# Altium PCB roach2.PcbDoc (part 34 of 39) (continued)
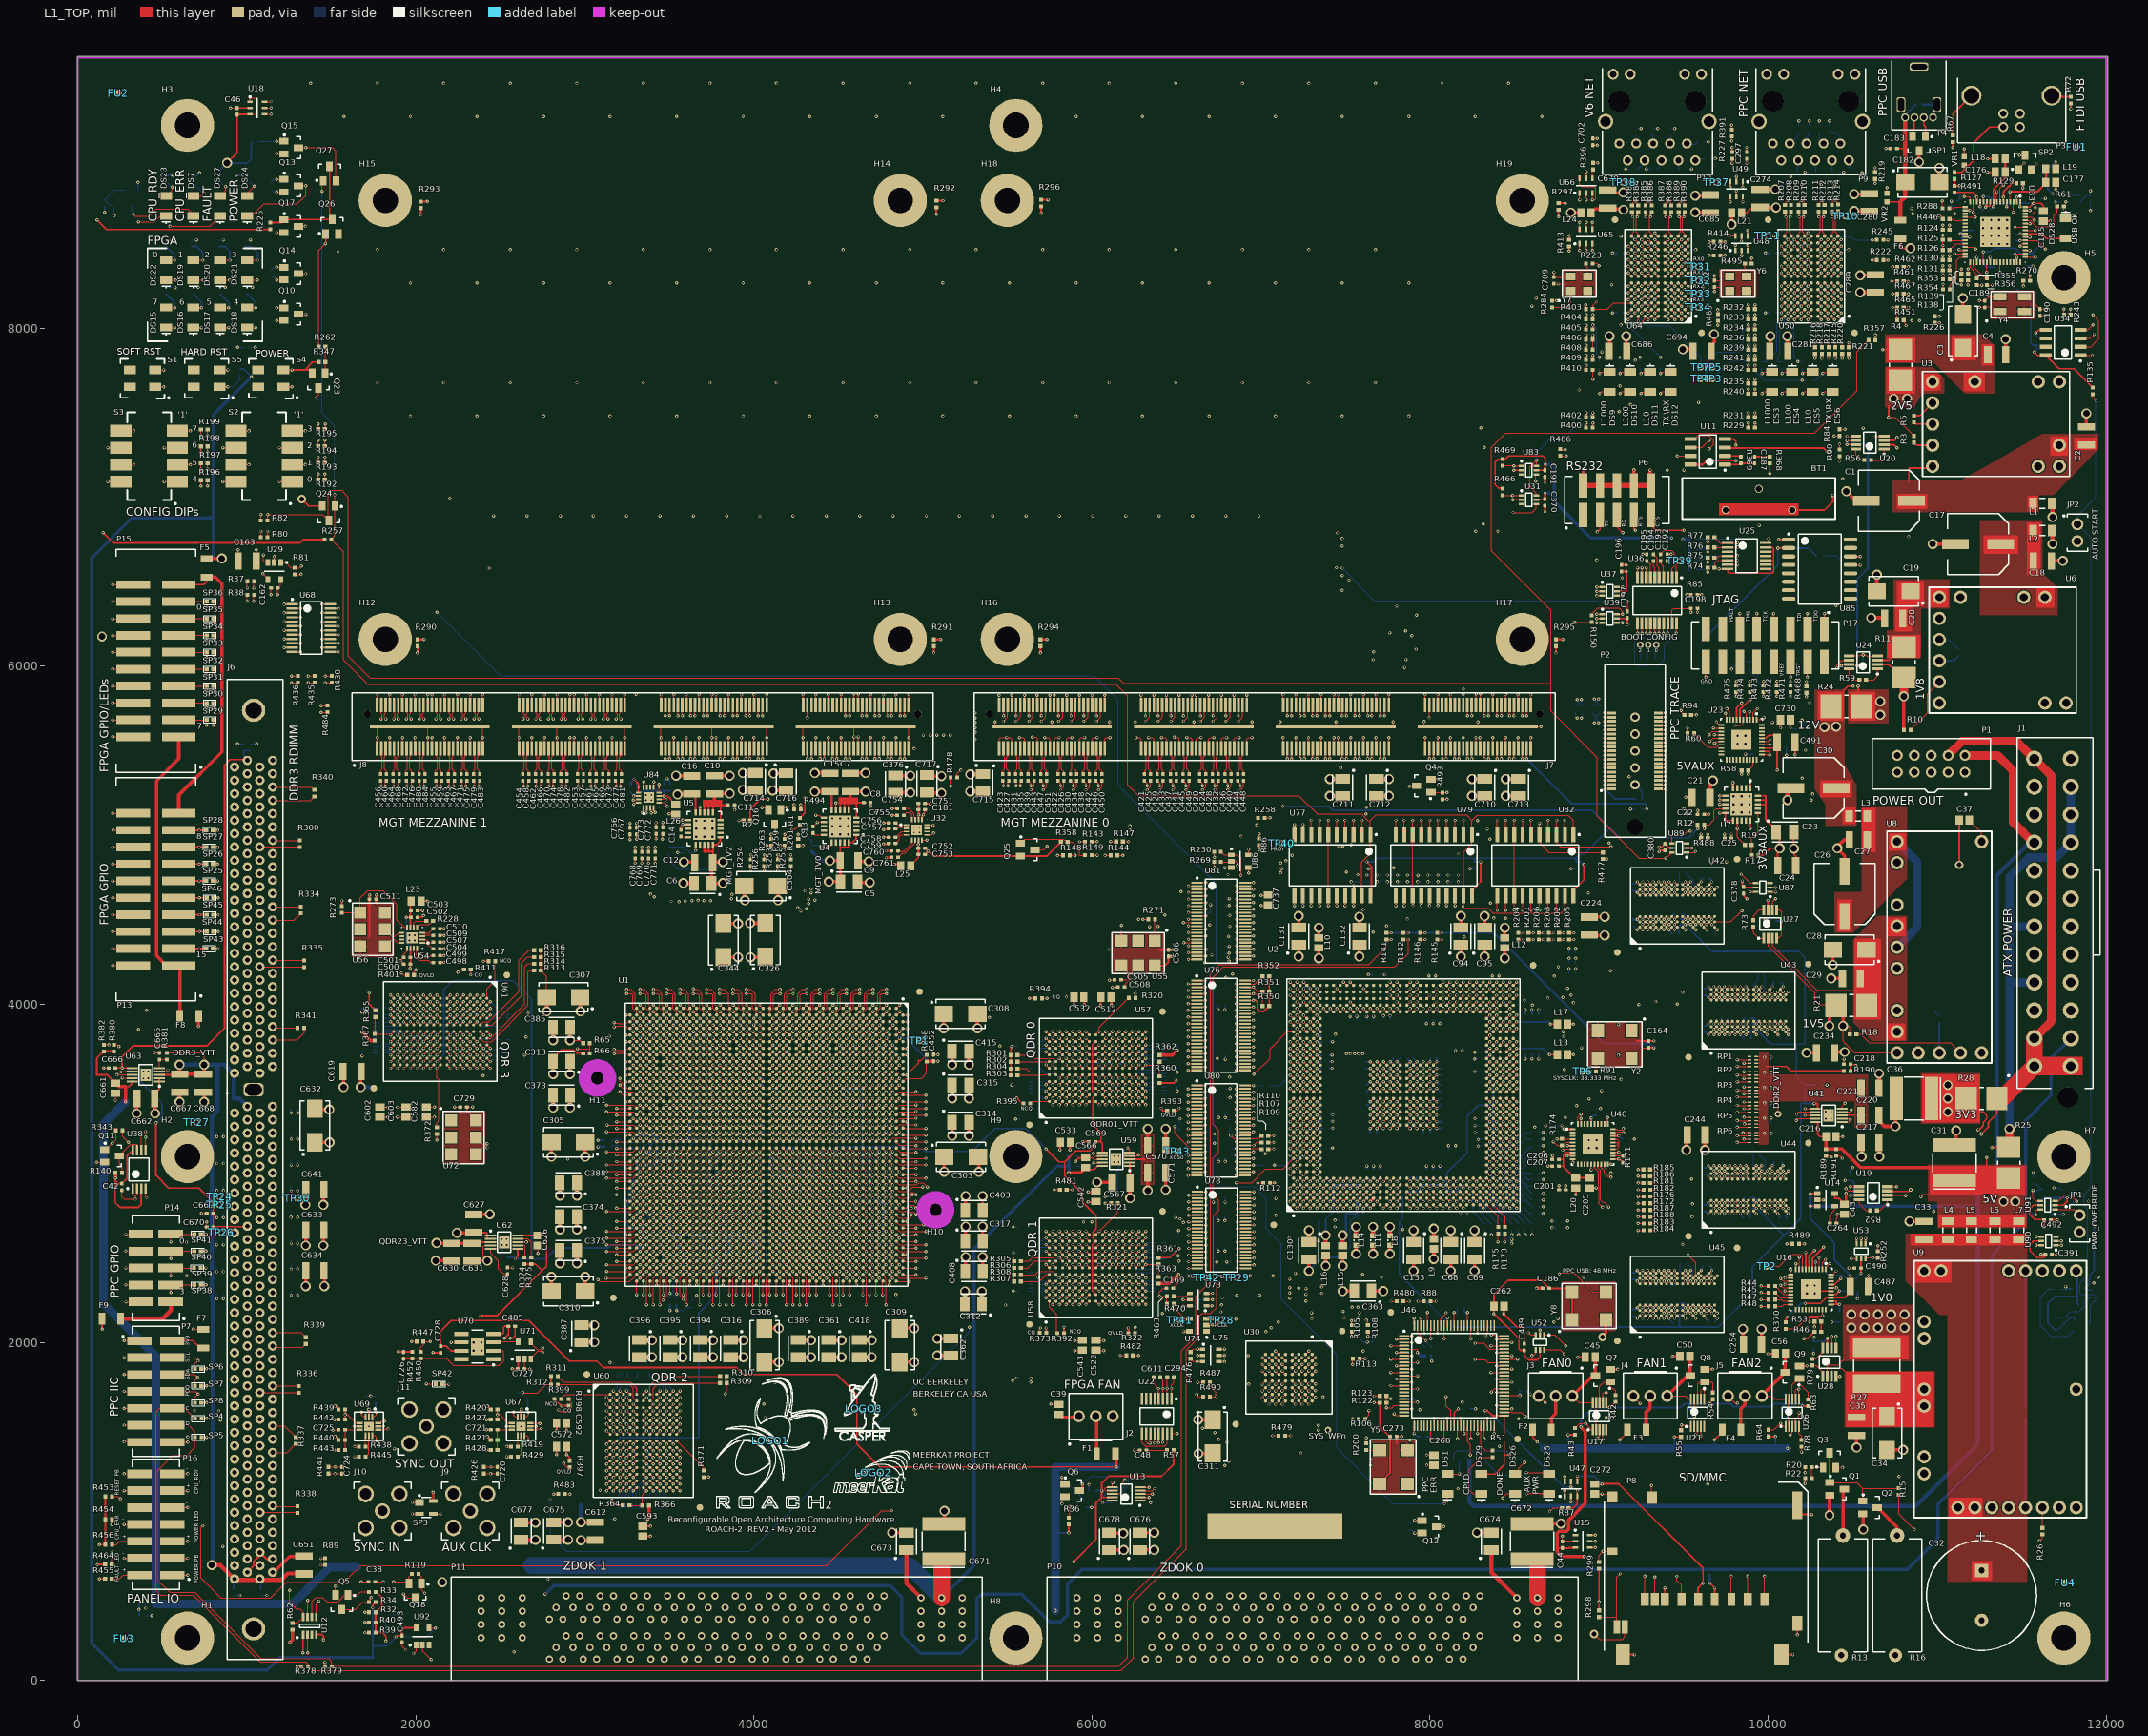
[diagram p0: L1_TOP view]
## Nets (pads, with @x,y where several pads share a name; then routed paths per layer and width w, separated by ;. In a path a pad name is that pad's centre, name@x,y a point inside that pad or via, vN(x,y) a via of type N, cw(c..) or ccw(c..) an arc to the next point about the centre after c; other vN are vias at no path point) (continued)
XL.PDATA26: U1.AL32 U78.16 | length 3283.8
  L1_TOP w5: v1(3680.2,2734.68) U1.AL32@3699.89,2754.37 ; v1(6572.93,2595.34) U78.16@6623.93,2595.34 U78.16@6640.87,2595.34
  L8_R w3.8: v1(3680.2,2734.68) 3703.97,2758.45 3844.15,2758.45 3853.28,2767.59 3853.28,2783.38 3867.36,2797.45 4241.08,2797.45 4254.79,2783.75 4254.79,2610.48 4264.29,2600.97 4936.97,2600.97 4950.99,2614.99 5376.99,2614.99 5430.99,2560.99 5542.99,2560.99 5584.99,2518.99 6396.99,2518.99 6472.99,2594.99 6572.58,2594.99 v1(6572.93,2595.34)
XL.PDATA27: U1.AK32 U78.17 | length 3374
  L1_TOP w5: v1(3719.57,2734.68) U1.AK32@3739.26,2754.37 ; U78.17@6606.99,2575.65 U78.17@6623.93,2575.65 v1(6674.93,2575.65)
  L8_R w3.8: v1(3719.57,2734.68) 3735.54,2750.65 3847.38,2750.65 3861.08,2764.36 3861.08,2780.15 3870.59,2789.65 4237.85,2789.65 4246.99,2780.52 4246.99,2597 4250.99,2592.99 4268.8,2592.99 4268.99,2592.8 4910.8,2592.8 4922.32,2581.29 4987.29,2581.29 5006.99,2600.99 5358.99,2600.99 5454.99,2504.99 5674.99,2504.99 5698.99,2480.99 6394.99,2480.99 6489.65,2575.65 v1(6674.93,2575.65)
XL.PDATA28: U1.R33 U78.19 | length 2733.4
  L1_TOP w5: U1.R33@4329.81,2715 v1(4349.5,2695.31) ; U78.19@6606.99,2536.28 U78.19@6623.93,2536.28 v1(6674.93,2536.28)
  L8_R w3.8: v1(4349.5,2695.31) 4373.27,2671.54 4864.99,2671.54 ; 4867.54,2671.54 4864.99,2671.54 ; v1(6674.93,2536.28) 6714.99,2576.35 6714.99,2690.99 6692.99,2712.99 6594.54,2712.99 6574.74,2693.19 6521.19,2693.19 6496.99,2668.99 6440.99,2668.99 6412.99,2640.99 5694.99,2640.99 5666.99,2668.99 5542.74,2668.99 5541.14,2667.39 5528.22,2667.39 5526.62,2668.99 5398.99,2668.99 5379.57,2649.57 5210.41,2649.57 5184.99,2674.99 4992.99,2674.99 4972.99,2694.99 4938.99,2694.99 4915.54,2671.54 4864.99,2671.54
XL.PDATA29: U1.P32 U78.20 | length 2669
  L1_TOP w5: U1.P32@4369.18,2754.37 v1(4388.87,2734.68) ; v1(6572.93,2516.6) U78.20@6623.93,2516.6 U78.20@6640.87,2516.6
  L8_R w3.8: v1(4388.87,2734.68) 4373.27,2719.08 4373.27,2688.85 4382.4,2679.71 4903.71,2679.71 4934.91,2710.91 5009.5,2710.91 5018.64,2701.78 5018.64,2696.99 5028.64,2686.99 5188.99,2686.99 5222.43,2720.43 5367.67,2720.43 5379.05,2709.05 5642.94,2709.05 5668.99,2682.99 6488.99,2682.99 6506.99,2700.99 6532.99,2700.99 v2(6540.99,2708.99)
  L9_R w3.8: v2(6540.99,2708.99) 6556.99,2692.99 6610.99,2692.99 6628.99,2674.99 6628.99,2572.66 v1(6572.93,2516.6)
XL.PDATA30: U1.AH33 U78.22 | length 3190.3
  L1_TOP w5: v1(3798.31,2695.31) U1.AH33@3818,2715 ; v1(6572.93,2477.23) U78.22@6623.93,2477.23 U78.22@6640.87,2477.23
  L8_R w3.8: v1(3798.31,2695.31) 3822.08,2719.08 4058.9,2719.08 4097.68,2680.31 4097.68,2610.11 4106.81,2600.97 4161.97,2600.97 4176.05,2586.9 4176.05,2575.36 4176.42,2574.99 4176.42,2531.37 4185.55,2522.23 4888.7,2522.23 4900.21,2533.75 4950.24,2533.75 5040.99,2442.99 5596.99,2442.99 5678.99,2360.99 6508.99,2360.99 6538.99,2390.99 6538.99,2443.29 v1(6572.93,2477.23)
XL.PDATA31: TP42.1 U1.AJ33 U78.23 | length 3423.7
  L1_TOP w5: v1(3758.94,2695.31) U1.AJ33@3778.63,2715 ; U78.23@6606.99,2457.54 U78.23@6623.93,2457.54 v1(6674.93,2457.54)
  L8_R w3.8: v1(3758.94,2695.31) 3776.25,2695.31 3791.85,2679.71 3804.78,2679.71 3813.91,2688.85 3813.91,2697.91 3826.99,2710.99 4048.99,2710.99 4086.99,2672.99 4086.99,2609.77 4103.58,2593.17 4158.74,2593.17 4168.25,2583.67 4168.25,2521.74 4175.92,2514.06 4875.92,2514.06 4936.99,2452.99 4936.99,2440.09 4958.09,2418.99 5508.99,2418.99 5604.99,2322.99 6540.38,2322.99 v1(6674.93,2457.54) 6694.99,2437.48 6694.99,2399.99 TP42.1@6677.99,2382.99
XL.PERCLK: C169.2 R65.1 R66.2 R463.2 R470.2 TP41.1 U1.AY14 U1.K10 | length 6170.5
  L1_TOP w5: v6(2957,3737) 3029.69,3737 ; R66.2@3029.69,3710 3029.69,3737 ; R65.1@3029.68,3770 3029.69,3737 ; v1(3325.87,3482.72) 3345.24,3463.35 U1.AY14@3345.56,3463.03 ; U1.K10@4526.66,3620.51 4527.88,3621.73 v1(4546.35,3640.2) ; R463.2@6432.99,2272.99 v2(6400.99,2272.99) 6400.99,2297.99 6423,2320 C169.2@6440.31,2320 ; R470.2@6443.31,2227.99 R463.2@6443.31,2272.99
  L3_S w3.94: v6(2957,3737) 3068,3737 3225,3580 3225,3519 3261.28,3482.72 v1(3325.87,3482.72) 3343.16,3500 4468.5,3500 4484.25,3515.75 4484.25,3566.93 4496.06,3578.74 4515.75,3578.74 4527.56,3590.55 4527.56,3621.41 v1(4546.35,3640.2) 4564.5,3622.05 5074.8,3622.05 5244.09,3791.34 5362.2,3791.34 5511.81,3940.94 6358.27,3940.94 6539.37,3759.84 6539.37,2732.77 6556.66,2715.48 6556.66,2371.62 6458.03,2272.99 v2(6400.99,2272.99)
  L8_R w5: v2(6400.99,2272.99) 6400.99,2249.99 TP41.1@6517.99,2132.99
XL.POEN: U1.AA31 U80.14 | length 3049.8
  L1_TOP w5: U1.AA31@4093.59,2793.74 v1(4113.28,2774.05) ; v1(6569.83,3263.85) U80.14@6620.83,3263.85 U80.14@6637.77,3263.85
  L9_R w3.8: v1(4113.28,2774.05) 4113.28,2756.75 4128.88,2741.15 4128.88,2694.99 4144.15,2679.71 4749.66,2679.71 4758.8,2688.85 4758.8,2940.86 4772.88,2954.93 4910.93,2954.93 4922.82,2966.82 4993.16,2966.82 5004.99,2954.99 5676.99,2954.99 5818.99,3096.99 6072.99,3096.99 6096.99,3120.99 6168.99,3120.99 6195.19,3094.79 6268.97,3094.79 6269.13,3094.64 6302.64,3094.64 6322.99,3114.99 6392.99,3114.99 6541.85,3263.85 v1(6569.83,3263.85)
XL.PRDY: R230.1 U1.L40 U86.1 | length 5276.4
  L1_TOP w5: U1.L40@4487.29,2439.41 v1(4506.98,2419.72) ; R230.1@6762.68,4902.99 6781.81,4883.86 U86.1@6824.8,4883.86 6860.13,4883.86 6880.99,4862.99 v2(6880.99,4762.99)
  L8_R w3.8: v2(4840.99,2282.99) 5074.99,2282.99 5134.99,2342.99 5432.99,2342.99 5490.99,2284.99 6378.99,2284.99 6386.99,2292.99 6662.99,2292.99 6768.99,2398.99 6768.99,4516.41 6857.93,4605.35 6862.69,4605.35 6880.99,4623.66 v2(6880.99,4762.99)
  L9_R w3.8: v1(4506.98,2419.72) 4524.99,2437.74 4524.99,2499.17 4539.88,2514.06 4592.18,2514.06 4606.99,2499.25 4606.99,2490.99 4616.99,2480.99 4712.99,2480.99 4722.99,2470.99 4722.99,2356.99 4796.99,2282.99 v2(4840.99,2282.99)
XL.PWRN: U1.V31 U80.15 | length 3196.7
  L1_TOP w5: U1.V31@4211.7,2793.74 v1(4231.39,2774.05) ; U80.15@6603.89,3244.16 U80.15@6620.83,3244.16 v1(6671.83,3244.16)
  L9_R w3.8: v1(4231.39,2774.05) 4248.69,2774.05 4264.29,2789.65 4631.65,2789.65 4648.86,2806.86 4648.86,3056.11 4658,3065.24 4845.24,3065.24 4876.99,3096.99 4876.99,3104.99 4912.99,3140.99 4982.99,3140.99 4994.99,3128.99 5076.99,3128.99 5132.99,3184.99 5132.99,3240.99 5162.99,3270.99 5188.99,3270.99 5283,3365 6527.97,3365 6560.18,3397.21 6623.21,3397.21 6648.99,3422.99 6674.99,3422.99 6693,3404.98 6693,3265.33 v1(6671.83,3244.16)
ZDOK0.CLK0_N: P10.C20 U1.K42 | length 5248.1
  L1_TOP w5: v2(4526.66,2281.93) U1.K42@4526.66,2360.67
  L14_S w3.8: v2(4526.66,2281.93) 4542.45,2297.71 4542.45,2339.48 4566.26,2363.29 4640.29,2363.29 4680.06,2403.06 4680.06,2432.56 4690.99,2443.49 4876.49,2443.49 4895.81,2462.81 4978.56,2462.81 4992.58,2448.79 5206.22,2448.79 5303.79,2351.22 5303.79,2218.22 5779.02,1742.99 5922.99,1742.99 ccw(c5922.99,1747.39) 5927.39,1747.39 5927.39,1792.4 cw(c5939.59,1792.4) 5951.79,1792.4 5951.79,1685.78 ccw(c5956.19,1685.78) 5960.59,1685.78 5960.59,1730.79 cw(c5972.79,1730.79) 5972.79,1742.99 6337.99,1742.99 6355.28,1760.28 6516.74,1760.28 7049.02,1227.99 7416.93,1227.99 8255.79,389.13 8255.79,302.91 P10.C20@8294.92,263.78 ; v2@4527.56,2283.46 v2@4531.64,2287.55
ZDOK0.CLK0_P: P10.C19 U1.J42 | length 5211.9
  L1_TOP w5: v2(4566.03,2281.93) U1.J42@4566.03,2360.67
  L14_S w3.8: v2(4566.03,2281.93) 4550.25,2297.71 4550.25,2336.25 4569.49,2355.49 4643.52,2355.49 4688.23,2400.2 4688.23,2426.18 4697.37,2435.32 4879.35,2435.32 4899.04,2455.01 4975.33,2455.01 4989.35,2440.99 5202.99,2440.99 5295.99,2347.99 5295.99,2214.99 5775.79,1735.19 5922.99,1735.19 ccw(c5922.99,1747.39) 5935.19,1747.39 5935.19,1792.4 cw(c5939.59,1792.4) 5943.99,1792.4 5943.99,1685.78 ccw(c5956.19,1685.78) 5968.39,1685.78 5968.39,1730.79 cw(c5972.79,1730.79) 5972.79,1735.19 6341.22,1735.19 6358.51,1752.48 6513.51,1752.48 7045.79,1220.19 7413.7,1220.19 8247.99,385.9 8247.99,296.77 P10.C19@8215,263.78
ZDOK0.CLK1_N: P10.F20 U1.P31 | length 5255.8
  L1_TOP w5: U1.P31@4369.18,2793.74 v1(4388.87,2774.05)
  L12_S w3.8: v1(4388.87,2774.05) 4397.04,2774.05 4420.81,2750.28 4434.7,2750.28 4443.84,2741.15 4443.84,2705 4444.21,2704.63 4444.21,2685.62 4457.91,2671.91 4788.66,2671.91 4806.34,2654.24 4806.34,2649.48 4815.48,2640.34 4826.11,2640.34 4837.91,2628.55 4837.91,2606.88 4909.1,2535.69 4918.76,2535.69 4949.76,2504.69 4971.76,2504.69 5014.68,2461.77 5239.01,2461.77 5384.32,2316.47 5384.32,2287.86 5875.19,1796.99 5875.19,1584.68 5873.86,1583.34 5873.86,1457.13 6115.79,1215.19 7390.79,1215.19 7870.79,735.19 8057.99,735.19 8155.19,637.99 8155.19,484.76 8169.76,470.19 8224.16,470.19 8253.97,500 P10.F20@8294.92,500
ZDOK0.CLK1_P: P10.F19 U1.P30 | length 5223.3
  L1_TOP w5: U1.P30@4369.18,2833.11 v1(4388.87,2813.42)
  L12_S w3.8: v1(4388.87,2813.42) 4406.17,2813.42 4421.77,2797.82 4437.16,2797.82 4452.01,2782.98 4452.01,2688.85 4461.14,2679.71 4825,2679.71 4845.71,2659.01 4845.71,2610.11 4912.33,2543.49 4921.99,2543.49 4952.99,2512.49 4974.99,2512.49 5017.91,2469.57 5242.24,2469.57 5392.12,2319.7 5392.12,2291.1 5882.99,1800.22 5882.99,1581.45 5881.66,1580.11 5881.66,1460.36 6119.02,1222.99 7394.02,1222.99 7874.02,742.99 8061.22,742.99 8064.61,739.61 ; 8063.51,740.71 8064.61,739.61 ; P10.F19@8215,500 8192.99,477.99 8172.99,477.99 8162.99,487.99 8162.99,641.22 8064.61,739.61
ZDOK0.DP_N0: P10.A2 U1.R27 | length 5231
  L1_TOP w5: U1.R27@4329.81,2951.22 v1(4349.5,2931.53)
  L3_S w3.8: v1(4349.5,2931.53) 4326.1,2908.13 4326.1,2370.66 4345.78,2350.98 4345.78,2272.24 4373.42,2244.6 4373.42,1845.42 4342.71,1814.71 4342.71,1587.25 5062.97,866.98 5217.08,712.88 cw(c5213.97,709.77) 5218.37,709.77 cw(c5213.97,709.77) 5217.08,706.65 5178.43,668 ccw(c5187.05,659.38) 5178.43,650.75 ccw(c5187.05,659.38) 5195.68,650.75 5284.72,739.79 cw(c5287.83,736.68) 5290.94,739.79 cw(c5287.83,736.68) 5292.23,736.68 cw(c5287.83,736.68) 5290.94,733.57 ; 5246.42,689.04 5201.9,644.53 ccw(c5210.53,635.9) 5201.9,627.28 ccw(c5210.53,635.9) 5219.15,627.28 5308.19,716.32 cw(c5311.3,713.21) 5314.42,716.32 cw(c5311.3,713.21) 5315.7,713.21 cw(c5311.3,713.21) 5314.42,710.09 5225.38,621.06 ccw(c5234,612.43) 5225.38,603.8 ccw(c5234,612.43) 5242.63,603.8 5331.67,692.84 cw(c5334.78,689.73) 5337.89,692.84 cw(c5334.78,689.73) 5339.18,689.73 cw(c5334.78,689.73) 5337.89,686.62 5248.86,597.58 ccw(c5257.48,588.95) 5248.85,580.33 ccw(c5257.48,588.95) 5266.1,580.33 5304.75,618.97 cw(c5307.87,615.87) 5310.98,618.98 5479.76,450.19 6165.79,450.19 6195.19,420.79 6195.19,142.56 6267.56,70.19 6331.22,70.19 6355.79,94.76 6355.79,110.79 6370.98,125.98 P10.A2@6395.12,125.98 ; 5246.43,689.05 5290.94,733.56
ZDOK0.DP_N1: P10.A4 U1.N31 | length 5271.1
  L1_TOP w5: U1.N31@4409.45,2795.28 4409.45,2792.84 v1(4428.24,2774.05)
  L5_S w3.8: v1(4428.24,2774.05) 4404.84,2750.65 4404.84,2645.64 4418.3,2632.17 4434.7,2632.17 4443.84,2623.04 4443.84,2299.91 4432.32,2288.39 4432.32,2275.47 4435.99,2271.79 4435.99,2069.67 4474.76,2030.9 4474.76,1740.19 5239.76,975.19 5263.78,975.19 cw(c5263.78,970.79) 5268.18,970.79 5268.18,914.52 ccw(c5280.38,914.52) 5292.58,914.52 5292.58,1043.66 cw(c5296.98,1043.66) 5301.38,1043.66 5301.38,914.52 ccw(c5313.58,914.52) 5325.78,914.52 5325.78,1043.66 cw(c5330.18,1043.66) 5334.58,1043.66 5334.58,914.52 ccw(c5346.78,914.52) 5358.98,914.52 5358.98,1043.66 cw(c5363.38,1043.66) 5367.78,1043.66 5367.78,914.52 ccw(c5379.98,914.52) 5392.18,914.52 5392.18,1043.66 cw(c5396.58,1043.66) 5400.98,1043.66 5400.98,914.52 ccw(c5413.18,914.52) 5425.38,914.52 5425.38,970.79 cw(c5429.78,970.79) 5429.78,975.19 5712.56,975.19 6054.76,632.99 6100.01,632.99 6275.19,457.81 6275.19,320.79 6395.19,200.79 6395.19,174.76 6474.76,95.19 6523.37,95.19 6554.16,125.98 P10.A4@6595.12,125.98
ZDOK0.DP_N2: P10.A6 U1.L36 | length 5258.8
  L1_TOP w5: U1.L36@4487.29,2596.89 v1(4506.98,2577.2)
  L5_S w3.8: v1(4506.98,2577.2) 4511.73,2577.2 4535.5,2553.43 4552.81,2553.43 4561.95,2544.3 4561.95,2310.51 4582.53,2289.93 4582.53,2104.42 4622.48,2064.48 4622.48,1881.51 4624.23,1881.51 4907.99,1597.74 4907.99,1549.76 5192.56,1265.19 5444.99,1265.19 ccw(c5444.99,1277.39) 5457.19,1277.39 5457.19,1316.32 cw(c5461.59,1316.32) 5465.99,1316.32 5465.99,1204.66 ccw(c5478.19,1204.66) 5490.39,1204.66 5490.39,1316.32 cw(c5494.79,1316.32) 5499.19,1316.32 5499.19,1204.66 ccw(c5511.39,1204.66) 5523.59,1204.66 5523.59,1316.32 cw(c5527.99,1316.32) 5532.39,1316.32 5532.39,1204.66 ccw(c5544.59,1204.66) 5556.79,1204.66 5556.79,1316.32 cw(c5561.19,1316.32) 5565.59,1316.32 5565.59,1204.66 ccw(c5577.79,1204.66) 5589.99,1204.66 5589.99,1316.32 cw(c5594.39,1316.32) 5598.79,1316.32 5598.79,1277.39 ccw(c5610.99,1277.39) 5610.99,1265.19 5830.79,1265.19 5833.75,1262.24 5870.03,1225.95 5872.99,1222.99 5872.99,1102.99 6010.28,965.71 6349.25,965.71 6507.99,806.96 6507.99,642.99 6579.65,571.34 6579.65,451.34 6642.55,388.43 6642.55,373.43 6737.99,277.99 6737.99,244.02 6707.99,214.02 6707.99,194.02 6655.19,141.22 6655.19,119.76 6679.76,95.19 6723.37,95.19 6754.16,125.98 P10.A6@6795.12,125.98
ZDOK0.DP_N3: P10.A8 U1.K34 | length 5301.2
  L1_TOP w5: U1.K34@4526.66,2675.63 v1(4546.35,2655.94)
  L5_S w3.8: v1(4546.35,2655.94) 4568.23,2634.06 4568.23,2605.73 4573.35,2600.6 4674.15,2600.6 4688.23,2586.53 4688.23,2354.57 4695,2347.8 4718.23,2347.8 4756.99,2309.04 4756.99,2298.1 4747.28,2288.39 4747.28,2275.47 4756.99,2265.76 4756.99,1879.99 4808.99,1827.99 4946.22,1827.99 5338.42,1435.79 5437.79,1435.79 cw(c5437.79,1423.59) 5449.99,1423.59 5449.99,1367.44 ccw(c5454.39,1367.44) 5458.79,1367.44 5458.79,1453.55 cw(c5470.99,1453.55) 5483.19,1453.55 5483.19,1367.44 ccw(c5487.59,1367.44) 5491.99,1367.44 5491.99,1453.55 cw(c5504.19,1453.55) 5516.39,1453.55 5516.39,1367.44 ccw(c5520.79,1367.44) 5525.19,1367.44 5525.19,1453.55 cw(c5537.39,1453.55) 5549.59,1453.55 5549.59,1367.44 ccw(c5553.99,1367.44) 5558.39,1367.44 5558.39,1453.55 cw(c5570.59,1453.55) 5582.79,1453.55 5582.79,1367.44 ccw(c5587.19,1367.44) 5591.59,1367.44 5591.59,1453.55 cw(c5603.79,1453.55) 5615.99,1453.55 5615.99,1367.44 ccw(c5620.39,1367.44) 5624.79,1367.44 5624.79,1423.59 cw(c5636.99,1423.59) 5636.99,1435.79 5861.22,1435.79 6059.02,1237.99 6339.02,1237.99 6660.79,916.22 6660.79,752.99 6757.99,655.79 6757.99,497.99 6810.79,445.19 6810.79,422.99 6932.99,300.79 6932.99,211.88 6927.41,206.3 6927.41,183.47 6943.55,167.33 6953.77,167.33 P10.A8@6995.12,125.98
ZDOK0.DP_N4: P10.A10 U1.H35 | length 5249.9
  L1_TOP w5: U1.H35@4605.4,2636.26 v1(4625.09,2616.57)
  L3_S w3.8: v1(4625.09,2616.57) 4609.49,2600.97 4609.49,2373.89 4629.17,2354.21 4629.17,2275.47 4644.59,2260.05 4644.59,1897.39 4759.99,1781.99 4805.22,1781.99 5209.22,1377.99 5349.02,1377.99 5804.02,922.99 5814.99,922.99 ccw(c5814.99,927.39) 5819.39,927.39 5819.39,962 cw(c5831.59,962) 5843.79,962 5843.79,897.87 ccw(c5848.19,897.87) 5852.59,897.87 5852.59,962 cw(c5864.79,962) 5876.99,962 5876.99,895.22 ccw(c5881.39,895.22) 5885.79,895.22 5885.79,962 cw(c5897.99,962) 5910.19,962 5910.19,851.79 ccw(c5914.59,851.79) 5918.99,851.79 5918.99,962 cw(c5931.19,962) 5943.39,962 5943.39,851.79 ccw(c5947.79,851.79) 5952.19,851.79 5952.19,962 cw(c5964.39,962) 5976.59,962 5976.59,851.79 ccw(c5980.99,851.79) 5985.39,851.79 5985.39,962 cw(c5997.59,962) 6009.79,962 6009.79,927.39 ccw(c6014.19,927.39) 6014.19,922.99 6449.02,922.99 6765.79,606.22 6765.79,481.22 6870.79,376.22 6870.79,357.99 6995.79,232.99 7084.02,232.99 7120.79,196.22 7120.79,182.99 7177.8,125.98 P10.A10@7195.12,125.98
ZDOK0.DP_N5: P10.A12 U1.G42 | length 5208.3
  L1_TOP w5: v2(4644.77,2281.93) U1.G42@4644.77,2360.67
  L14_S w3.8: v2@4645.67,2283.46 4645.67,2281.93 4645.67,2281.11 4672.99,2253.79 4678.22,2253.79 4693.99,2238.02 4693.99,2156.99 4693.39,2156.39 4693.39,2097.59 4746.28,2044.71 4746.28,1604.71 5347.99,1002.99 5430.99,1002.99 ccw(c5430.99,1007.39) 5435.39,1007.39 5435.39,1069.64 cw(c5447.59,1069.64) 5459.79,1069.64 5459.79,928.54 ccw(c5464.19,928.54) 5468.59,928.54 5468.59,1069.64 cw(c5480.79,1069.64) 5492.99,1069.64 5492.99,928.54 ccw(c5497.39,928.54) 5501.79,928.54 5501.79,1069.64 cw(c5513.99,1069.64) 5526.19,1069.64 5526.19,928.54 ccw(c5530.59,928.54) 5534.99,928.54 5534.99,1069.64 cw(c5547.19,1069.64) 5559.39,1069.64 5559.39,1007.39 ccw(c5563.79,1007.39) 5563.79,1002.99 5856.22,1002.99 5861.46,997.75 5925.61,933.61 6173.42,685.79 6991.22,685.79 7187.45,489.57 7187.45,488.59 7200.79,475.24 7200.79,422.99 7252.99,370.79 7252.99,257.88 7343.55,167.33 7353.77,167.33 P10.A12@7395.12,125.98
ZDOK0.DP_N6: P10.A14 U1.G36 | length 5249.8
  L1_TOP w5: U1.G36@4644.77,2596.89 v1(4664.46,2577.2)
  L3_S w3.8: v1(4664.46,2577.2) 4648.86,2561.6 4648.86,2407.13 4668.54,2387.44 4668.54,2275.47 4689.99,2254.02 4689.99,2181.49 4757.79,2113.69 4757.79,1868.99 5208.79,1417.99 5391.22,1417.99 5526.6,1282.61 5654.46,1154.75 cw(c5645.84,1146.13) 5658.04,1146.13 cw(c5645.84,1146.13) 5654.46,1137.5 5636.87,1119.91 ccw(c5639.98,1116.8) 5636.87,1113.69 ccw(c5639.98,1116.8) 5643.09,1113.69 5685.31,1155.9 cw(c5693.94,1147.28) 5702.57,1155.9 cw(c5693.94,1147.28) 5706.14,1147.28 cw(c5693.94,1147.28) 5702.57,1138.65 5683.81,1119.9 5660.35,1096.43 ccw(c5663.46,1093.32) 5660.35,1090.21 ccw(c5663.46,1093.32) 5666.57,1090.21 5708.79,1132.43 cw(c5717.41,1123.8) 5726.04,1132.43 cw(c5717.41,1123.8) 5729.61,1123.8 cw(c5717.41,1123.8) 5726.04,1115.18 5707.29,1096.42 ; 5707.28,1096.41 5683.82,1072.96 ccw(c5686.93,1069.85) 5683.82,1066.74 ccw(c5686.93,1069.85) 5690.04,1066.74 5732.26,1108.95 cw(c5740.89,1100.33) 5749.52,1108.95 cw(c5740.89,1100.33) 5753.09,1100.33 cw(c5740.89,1100.33) 5749.52,1091.7 5730.76,1072.95 5707.3,1049.48 ccw(c5710.41,1046.37) 5707.3,1043.26 ccw(c5710.41,1046.37) 5713.52,1043.26 5755.74,1085.48 cw(c5764.36,1076.85) 5772.99,1085.48 cw(c5764.36,1076.85) 5776.56,1076.85 cw(c5764.36,1076.85) 5772.99,1068.23 5730.78,1026.01 ccw(c5733.88,1022.9) 5730.77,1019.79 ccw(c5733.88,1022.9) 5736.99,1019.79 5779.21,1062 cw(c5787.84,1053.38) 5796.47,1062 cw(c5787.84,1053.38) 5800.04,1053.38 cw(c5787.84,1053.38) 5796.47,1044.75 5754.25,1002.54 ccw(c5757.36,999.42) 5754.25,996.31 ccw(c5757.36,999.42) 5760.47,996.31 5778.06,1013.9 cw(c5786.69,1005.28) 5795.31,1013.9 ; 5795.32,1013.9 5818.42,990.79 6466.22,990.79 6618.51,838.51 6772.48,838.51 6950.79,660.19 6950.79,505.19 7010.79,445.19 7010.79,412.99 7062.99,360.79 7062.99,337.99 7087.99,312.99 7424.02,312.99 7455.79,281.22 7455.79,247.99 7577.8,125.98 P10.A14@7595.12,125.98
ZDOK0.DP_N7: P10.A16 U1.C39 | length 5248
  L1_TOP w5: U1.C39@4802.25,2478.78 v1(4821.94,2459.09)
  L12_S w3.8: v1(4821.94,2459.09) 4845.71,2435.32 4845.71,2405.28 4875.99,2374.99 4875.99,2015.99 4965.76,1926.22 4965.9,1926.22 4991.22,1900.9 4991.22,1900.76 5169.78,1722.21 5169.78,1687.24 5448.17,1408.84 ccw(c5451.29,1411.95) 5454.4,1408.84 5494.1,1448.54 cw(c5502.73,1439.91) 5511.36,1448.54 cw(c5502.73,1439.91) 5514.93,1439.91 cw(c5502.73,1439.91) 5511.36,1431.29 5421.2,1341.13 ccw(c5424.3,1338.01) 5421.19,1334.9 ccw(c5424.3,1338.01) 5427.42,1334.9 ; 5427.42,1334.91 5517.58,1425.06 cw(c5526.21,1416.44) 5534.83,1425.07 cw(c5526.21,1416.44) 5538.41,1416.44 cw(c5526.21,1416.44) 5534.83,1407.81 5444.67,1317.65 ccw(c5447.78,1314.54) 5444.67,1311.43 ccw(c5447.78,1314.54) 5450.89,1311.43 5541.05,1401.59 cw(c5549.68,1392.96) 5558.31,1401.59 cw(c5549.68,1392.96) 5561.88,1392.96 cw(c5549.68,1392.96) 5558.31,1384.34 5512.74,1338.77 ; 5474.37,1287.95 cw(c5471.26,1291.06) 5468.14,1287.95 cw(c5471.26,1291.06) 5468.14,1294.17 5512.73,1338.76 ; 5474.37,1287.96 5513.09,1326.67 cw(c5521.72,1318.05) 5530.34,1326.67 5660.51,1196.51 5795.79,1061.22 5795.79,1030.19 5852.99,972.99 6376.99,972.99 ccw(c6376.99,977.39) 6381.39,977.39 6381.39,986.19 cw(c6395.79,986.19) 6410.19,986.19 6410.19,977.39 ccw(c6414.59,977.39) 6414.59,972.99 7194.02,972.99 7565.79,601.22 7565.79,490.19 7615.79,440.19 7615.79,417.99 7730.28,303.51 7730.28,249.14 7717.99,236.85 7717.99,192.88 7743.55,167.33 7753.77,167.33 P10.A16@7795.12,125.98
ZDOK0.DP_N8: P10.A18 U1.A39 | length 5182.5
  L1_TOP w5: U1.A39@4880.99,2478.78 4881.89,2478.78 v2(4959.73,2478.78)
  L9_R w3.8: v2@4960.63,2480.31 4960.95,2480 5043.99,2396.95 5043.99,2146.76 5333.56,1857.19 5455.56,1857.19 5512.9,1799.86 5512.9,1778.93 5519.35,1772.48 v2(5532.48,1772.48)
  L12_S w3.8: v2(5532.48,1772.48) 5517.48,1772.48 5507.99,1762.99 5507.99,1742.99 5542.99,1707.99 5647.99,1707.99 5710.79,1645.19 5710.79,1465.19 6035.79,1140.19 6035.79,1112.99 6060.79,1087.99 6284.02,1087.99 6349.02,1022.99 6733.59,1022.99 ccw(c6733.59,1027.39) 6737.99,1027.39 6737.99,1072.74 cw(c6750.19,1072.74) 6762.39,1072.74 6762.39,1000.45 ccw(c6766.79,1000.45) 6771.19,1000.45 6771.19,1072.74 cw(c6783.39,1072.74) 6795.59,1072.74 6795.59,1000.45 ccw(c6799.99,1000.45) 6804.39,1000.45 6804.39,1072.74 cw(c6816.59,1072.74) 6828.79,1072.74 6828.79,1000.45 ccw(c6833.19,1000.45) 6837.59,1000.45 6837.59,1072.74 cw(c6849.79,1072.74) 6861.99,1072.74 6861.99,1000.45 ccw(c6866.39,1000.45) 6870.79,1000.45 6870.79,1010.79 cw(c6882.99,1010.79) 6882.99,1022.99 7224.02,1022.99 7684.02,562.99 7721.22,562.99 7770.79,513.42 7770.79,485.19 7820.79,435.19 7820.79,407.99 7932.99,295.79 7932.99,211.88 7927.41,206.3 7927.41,183.47 7943.55,167.33 7953.77,167.33 P10.A18@7995.12,125.98
ZDOK0.DP_N9: P10.A20 U1.B42 | length 5184.3
  L1_TOP w5: U1.B42@4841.62,2360.67 4842.52,2360.67 v2(4920.36,2360.67)
  L14_S w3.8: v2@4921.26,2362.2 4960.63,2362.2 4972.44,2350.39 4972.44,2295.15 5026.99,2240.6 5026.99,2000.96 5064.76,1963.19 5120.76,1963.19 5164.99,1918.96 5164.99,1850.76 5610.56,1405.19 5676.99,1405.19 ccw(c5676.99,1417.39) 5689.19,1417.39 5689.19,1478.66 cw(c5693.59,1478.66) 5697.99,1478.66 5697.99,1357.92 ccw(c5710.19,1357.92) 5722.39,1357.92 5722.39,1478.66 cw(c5726.79,1478.66) 5731.19,1478.66 5731.19,1357.92 ccw(c5743.39,1357.92) 5755.59,1357.92 5755.59,1400.79 cw(c5759.99,1400.79) 5759.99,1405.19 6050.79,1405.19 6245.79,1210.19 6470.79,1210.19 6615.28,1065.71 7364.25,1065.71 7642.48,787.48 7855.71,574.25 7855.71,475.28 7882.51,448.47 7882.51,408.54 7877.99,404.02 7877.99,327.99 7927.99,277.99 7927.99,260.19 7965.75,222.44 7966.37,222.44 7985.19,203.62 7985.19,189.76 8079.76,95.19 8123.37,95.19 8154.16,125.98 P10.A20@8195.12,125.98
ZDOK0.DP_N10: P10.D2 U1.P28 | length 5277.9
  L1_TOP w5: U1.P28@4369.18,2911.85 v1(4388.87,2892.16)
  L3_S w3.8: v1(4388.87,2892.16) 4404.84,2876.19 4404.84,2370.66 4424.52,2350.98 4424.52,2185.43 4465.99,2143.96 4465.99,1762.96 5093.76,1135.19 5162.99,1135.19 5258.09,1040.1 5323.86,974.32 ccw(c5332.49,982.95) 5341.11,974.32 5375.17,1008.38 cw(c5378.28,1005.27) 5381.39,1008.38 cw(c5378.28,1005.27) 5382.68,1005.27 cw(c5378.28,1005.27) 5381.39,1002.16 5341.47,962.24 ; 5341.46,962.23 5314.93,935.7 ccw(c5323.55,927.07) 5314.93,918.44 ccw(c5323.55,927.07) 5332.18,918.44 5398.64,984.9 cw(c5401.75,981.79) 5404.86,984.9 cw(c5401.75,981.79) 5406.15,981.79 cw(c5401.75,981.79) 5404.86,978.68 5364.95,938.76 5338.41,912.23 ccw(c5347.03,903.59) 5338.4,894.97 ccw(c5347.03,903.59) 5355.66,894.97 5382.19,921.5 5422.11,961.42 cw(c5425.23,958.32) 5428.34,961.43 cw(c5425.23,958.32) 5429.63,958.32 cw(c5425.23,958.32) 5428.34,955.21 5388.42,915.29 ; 5388.41,915.28 5361.88,888.75 ccw(c5370.5,880.12) 5361.88,871.49 ccw(c5370.5,880.12) 5379.13,871.49 5405.66,898.03 ; 5405.67,898.04 5445.59,937.95 cw(c5448.7,934.84) 5451.81,937.95 cw(c5448.7,934.84) 5453.1,934.84 cw(c5448.7,934.84) 5451.81,931.73 5411.9,891.81 5385.36,865.28 ccw(c5393.98,856.64) 5385.35,848.02 ccw(c5393.98,856.64) 5402.61,848.02 5429.14,874.55 5469.06,914.47 cw(c5472.18,911.37) 5475.29,914.48 cw(c5472.18,911.37) 5476.58,911.37 cw(c5472.18,911.37) 5475.29,908.26 5435.37,868.34 ; 5435.36,868.33 5408.83,841.8 ccw(c5417.45,833.17) 5408.83,824.54 ccw(c5417.45,833.17) 5426.08,824.54 5492.54,891 cw(c5495.65,887.89) 5498.76,891 cw(c5495.65,887.89) 5500.05,887.89 cw(c5495.65,887.89) 5498.76,884.78 5432.3,818.32 ccw(c5440.93,809.69) 5432.3,801.07 ccw(c5440.93,809.69) 5449.56,801.07 5516.02,867.53 cw(c5519.13,864.42) 5522.24,867.53 cw(c5519.13,864.42) 5523.53,864.42 cw(c5519.13,864.42) 5522.24,861.31 5455.78,794.85 ccw(c5464.41,786.22) 5455.78,777.59 ccw(c5464.41,786.22) 5473.03,777.59 5493.7,798.26 cw(c5496.81,795.15) 5499.92,798.26 5710.19,587.99 6207.99,587.99 6260.19,535.79 6260.19,344.76 6274.76,330.19 6322.15,330.19 6354.16,362.2 P10.D2@6395.12,362.2
ZDOK0.DP_N11: P10.D4 U1.L37 | length 5274.8
  L1_TOP w5: U1.L37@4488.19,2559.06 4488.19,2556.62 v1(4506.98,2537.83)
  L5_S w3.8: v1(4506.98,2537.83) 4522.58,2522.23 4522.58,2313.91 4542.26,2294.22 4542.26,2256.22 4542.99,2255.49 4542.99,2244.99 4542.99,2089.76 4590.19,2042.56 4590.19,1864.76 4882.99,1571.96 4882.99,1471.96 5141.47,1213.48 5174.52,1180.44 5179.76,1175.19 5242.39,1175.19 ccw(c5242.39,1187.39) 5254.59,1187.39 5254.59,1239.6 cw(c5258.99,1239.6) 5263.39,1239.6 5263.39,1112.98 ccw(c5275.59,1112.98) 5287.79,1112.98 5287.79,1239.6 cw(c5292.19,1239.6) 5296.59,1239.6 5296.59,1112.98 ccw(c5308.79,1112.98) 5320.99,1112.98 5320.99,1239.6 cw(c5325.39,1239.6) 5329.79,1239.6 5329.79,1112.98 ccw(c5341.99,1112.98) 5354.19,1112.98 5354.19,1239.6 cw(c5358.59,1239.6) 5362.99,1239.6 5362.99,1112.98 ccw(c5375.19,1112.98) 5387.39,1112.98 5387.39,1239.6 cw(c5391.79,1239.6) 5396.19,1239.6 5396.19,1112.98 ccw(c5408.39,1112.98) 5420.59,1112.98 5420.59,1170.79 cw(c5424.99,1170.79) 5424.99,1175.19 5606.21,1175.19 ccw(c5621.21,1179.09) 5636.71,1179.09 cw(c5644.41,1179.09) 5652.11,1179.09 ccw(c5667.61,1179.09) 5683.11,1179.09 cw(c5690.81,1179.09) 5698.51,1179.09 ccw(c5714.01,1179.09) 5729.51,1179.09 cw(c5737.21,1179.09) 5744.91,1179.09 ccw(c5760.41,1179.09) 5775.42,1175.19 5787.99,1175.19 5847.99,1115.19 5847.99,1089.76 5927.87,1009.88 5939.44,998.31 5955.84,981.91 5972.25,965.51 5988.65,949.1 6005.06,932.7 6019.06,918.69 ccw(c6032.42,910.84) 6043.38,899.89 cw(c6048.83,894.44) 6056.53,894.44 cw(c6048.83,894.44) 6054.27,889 ccw(c6065.23,878.04) 6076.19,867.08 cw(c6081.64,861.63) 6089.34,861.63 cw(c6081.64,861.63) 6087.08,856.19 ccw(c6089.84,853.43) 6087.09,850.67 6103.48,834.27 ; 6103.49,834.26 6112.56,825.19 6400.79,825.19 6437.99,787.99 6437.99,657.99 6532.99,562.99 6532.99,459.13 6519.61,445.75 6519.61,445.64 6455.19,381.22 6455.19,349.76 6479.76,325.19 6517.15,325.19 6554.16,362.2 P10.D4@6595.12,362.2
ZDOK0.DP_N12: P10.D6 U1.K32 | length 5269.1
  L1_TOP w5: U1.K32@4526.66,2754.37 v1(4546.35,2734.68)
  L3_S w3.8: v1(4546.35,2734.68) 4570.12,2710.91 4570.12,2345.37 4606.99,2308.49 4606.99,2219.99 4628.99,2197.99 4628.99,1872.99 5178.99,1322.99 5301.22,1322.99 5393.1,1231.11 5550.52,1073.69 ccw(c5553.64,1076.8) 5556.75,1073.69 5583.36,1100.31 ; 5538.26,1008.26 cw(c5535.15,1011.37) 5532.04,1008.26 cw(c5535.15,1011.37) 5532.04,1014.48 5600.62,1083.06 ccw(c5591.99,1091.68) 5604.19,1091.68 ccw(c5591.99,1091.68) 5600.62,1100.31 ccw(c5591.99,1091.68) 5583.37,1100.31 ; 5538.27,1008.26 5606.84,1076.83 cw(c5615.47,1068.21) 5624.1,1076.84 cw(c5615.47,1068.21) 5627.67,1068.21 cw(c5615.47,1068.21) 5624.1,1059.58 5555.52,991 ccw(c5558.63,987.89) 5555.52,984.78 ccw(c5558.63,987.89) 5561.74,984.78 5630.31,1053.36 ; 5585.21,961.31 cw(c5582.1,964.42) 5578.99,961.31 cw(c5582.1,964.42) 5578.99,967.53 5647.57,1036.11 ccw(c5638.94,1044.73) 5651.14,1044.73 ccw(c5638.94,1044.73) 5647.57,1053.36 ccw(c5638.94,1044.73) 5630.32,1053.36 ; 5585.22,961.31 5653.79,1029.88 cw(c5662.42,1021.26) 5671.05,1029.88 cw(c5662.42,1021.26) 5674.62,1021.26 cw(c5662.42,1021.26) 5671.05,1012.63 5602.47,944.05 ccw(c5605.58,940.94) 5602.47,937.83 ccw(c5605.58,940.94) 5608.69,937.83 5677.26,1006.4 ; 5632.16,914.36 cw(c5629.05,917.47) 5625.94,914.36 cw(c5629.05,917.47) 5625.94,920.58 5694.52,989.16 ccw(c5685.89,997.78) 5698.09,997.78 ccw(c5685.89,997.78) 5694.52,1006.41 ccw(c5685.89,997.78) 5677.27,1006.41 ; 5632.17,914.36 5700.74,982.93 cw(c5709.37,974.31) 5718,982.93 cw(c5709.37,974.31) 5721.57,974.31 cw(c5709.37,974.31) 5718,965.68 5649.42,897.1 ; 5649.42,897.1 ccw(c5652.53,893.99) 5649.42,890.88 ccw(c5652.53,893.99) 5655.64,890.88 5724.21,959.45 ; 5679.11,867.41 cw(c5676,870.52) 5672.89,867.41 cw(c5676,870.52) 5672.89,873.63 5741.47,942.21 ccw(c5732.84,950.83) 5745.04,950.83 ccw(c5732.84,950.83) 5741.47,959.46 ccw(c5732.84,950.83) 5724.22,959.46 ; 5679.12,867.41 5709.33,897.62 cw(c5717.96,889) 5726.59,897.63 5793.42,830.79 6436.22,830.79 6660.79,606.22 6660.79,486.3 6743.55,403.55 6753.77,403.55 P10.D6@6795.12,362.2